# Altium PCB ccd_bottom.PcbDoc (part 2 of 2)
Units mil, origin at the board's own origin, x right, y up, seen from the top; angles counter-clockwise.
Board outline 3937.01 x 3937.01 mil, 4 copper layers (Top Layer, GND2, PWR3, Bottom Layer), stack 72.967 mil thick; 86 components, 82 nets, 458 pads, 171 vias.
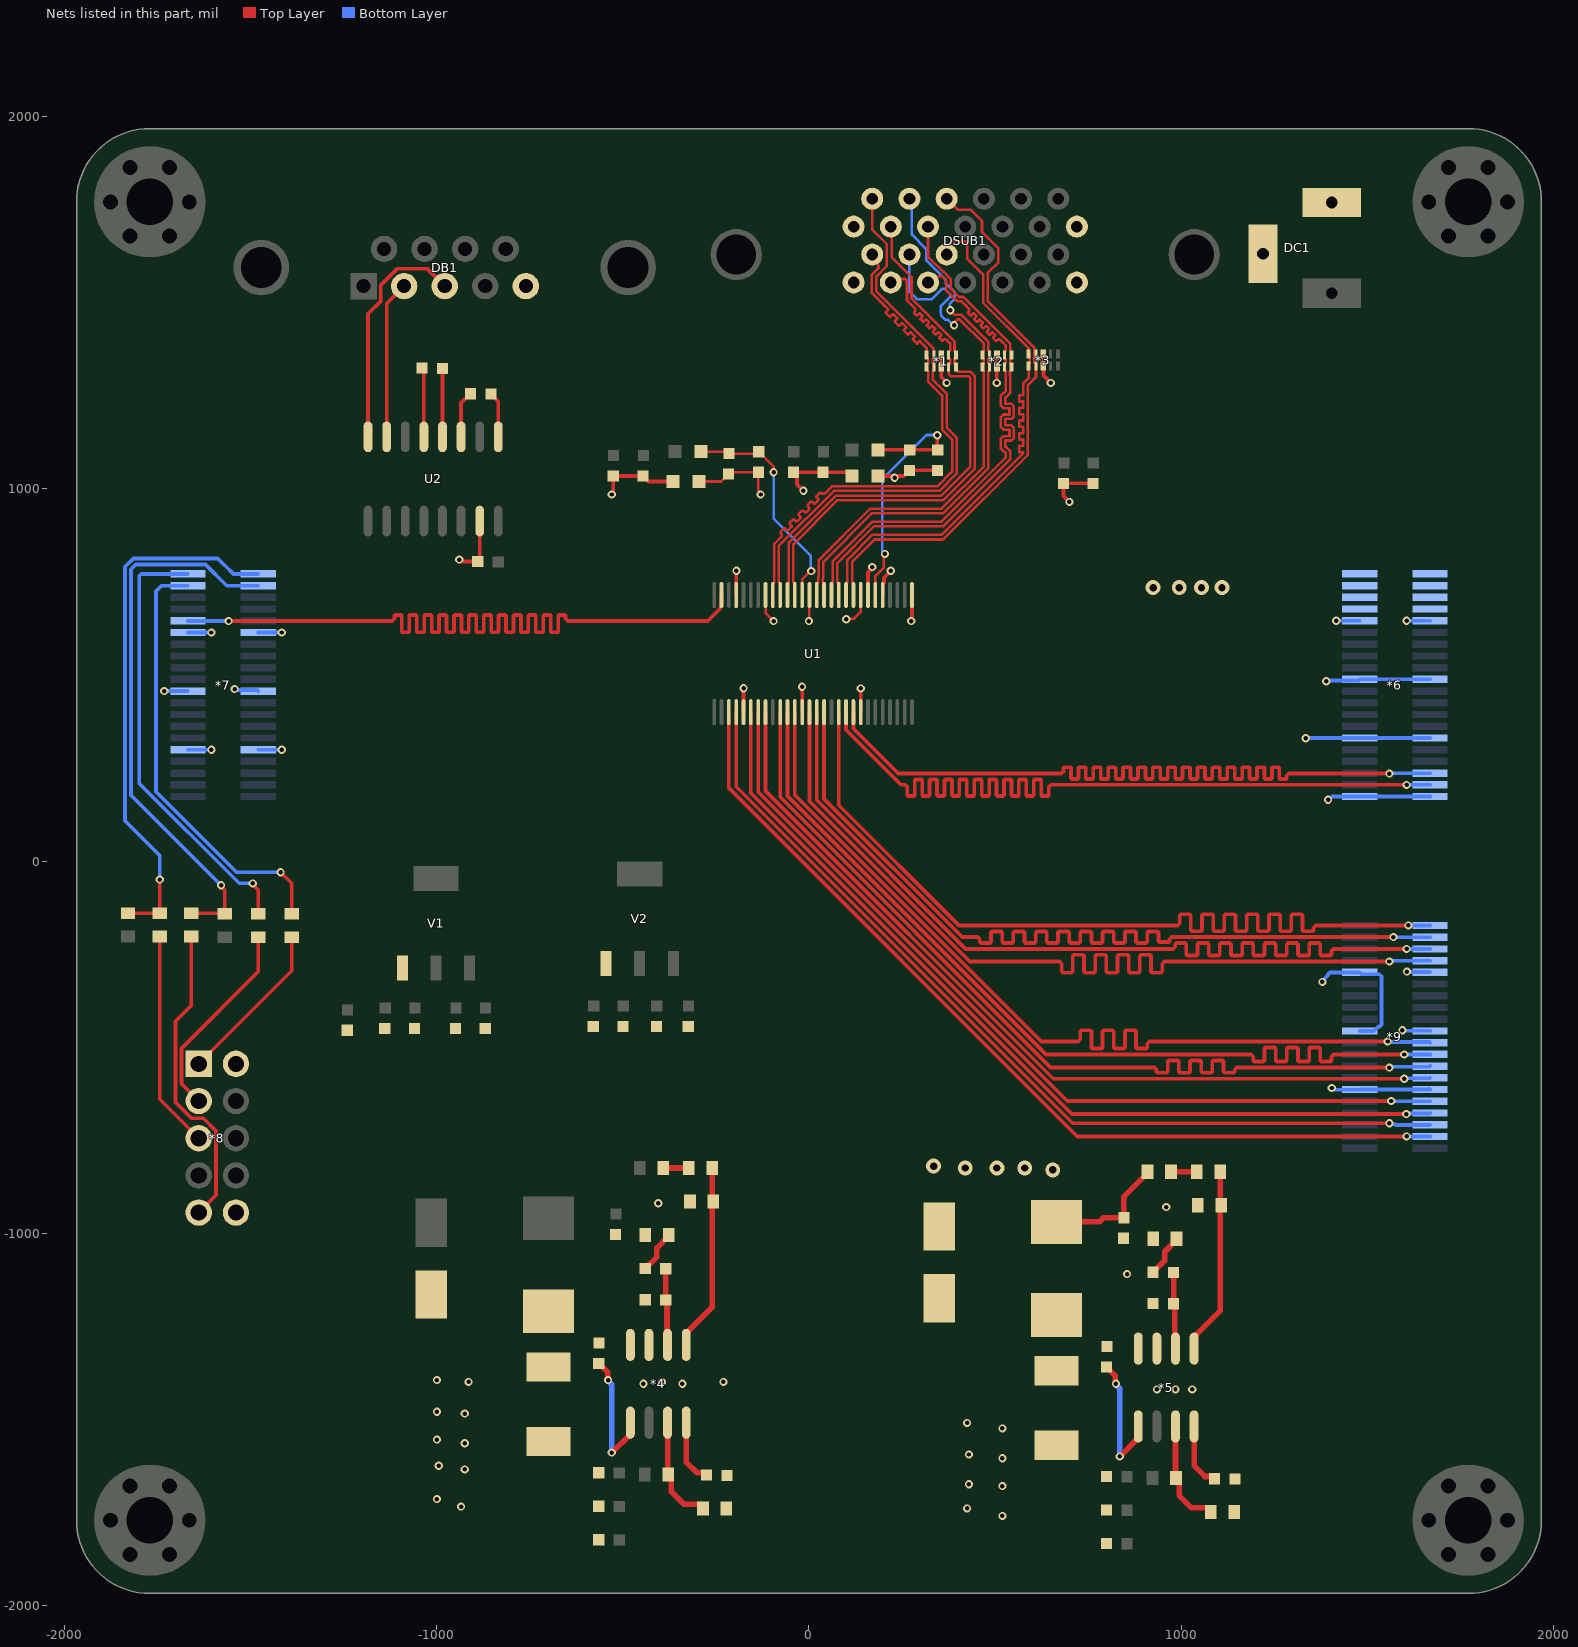
[diagram p4: the nets of this part, all layers, seen from the top]

## Via types
v1: diameter 22, hole 12, Top Layer to Bottom Layer, 149 vias
v2: diameter 40, hole 20, Top Layer to Bottom Layer, 22 vias

## Nets (pads, with @x,y where several pads share a name; then routed paths per layer and width w, separated by ;. In a path a pad name is that pad's centre, name@x,y a point inside that pad or via, vN(x,y) a via of type N, cw(c..) or ccw(c..) an arc to the next point about the centre after c; other vN are vias at no path point) (continued)
B15_L24_P: *7.31 U1.55 | length 2470.1
  Top Layer w10: v1(-1560,645) -1125,645 -1120,645 -1114.14,650.86 -1114.14,659.17 -1112.14,661.17 -1096.14,661.17 -1094.14,659.17 -1094.14,617 -1092.14,615 -1076.14,615 -1074.14,617 -1074.14,659.17 -1072.14,661.17 -1056.14,661.17 -1054.14,659.17 -1054.14,617 -1052.14,615 -1036.14,615 -1034.14,617 -1034.14,659.17 -1032.14,661.17 -1016.14,661.17 -1014.14,659.17 -1014.14,617 -1012.14,615 -996.14,615 -994.14,617 -994.14,659.17 -992.14,661.17 -976.14,661.17 -974.14,659.17 -974.14,617 -972.14,615 -956.14,615 -954.14,617 -954.14,659.17 -952.14,661.17 -936.14,661.17 -934.14,659.17 -934.14,617 -932.14,615 -916.14,615 -914.14,617 -914.14,659.17 -912.14,661.17 -896.14,661.17 -894.14,659.17 -894.14,617 -892.14,615 -876.14,615 -874.14,617 -874.14,659.17 -872.14,661.17 -856.14,661.17 -854.14,659.17 -854.14,617 -852.14,615 -836.14,615 -834.14,617 -834.14,659.17 -832.14,661.17 -816.14,661.17 -814.14,659.17 -814.14,617 -812.14,615 -796.14,615 -794.14,617 -794.14,659.17 -792.14,661.17 -776.14,661.17 -774.14,659.17 -774.14,617 -772.14,615 -756.14,615 -754.14,617 -754.14,659.17 -752.14,661.17 -736.14,661.17 -734.14,659.17 -734.14,617 -732.14,615 -716.14,615 -714.14,617 -714.14,659.17 -712.14,661.17 -696.14,661.17 -694.14,659.17 -694.14,617 -692.14,615 -676.14,615 -674.14,617 -674.14,659.17 -672.14,661.17 -656.14,661.17 -654.14,659.17 -654.14,650.86 -648.28,645 -640,645 -272.02,645 -238.65,678.37 -238.65,681.31 -234.96,685 U1.55@-234.96,715
  Bottom Layer w10: *7.31@-1669.29,645.67 -1668.96,645.34 -1560.34,645.34 v1(-1560,645)
B16_L1_N: *9.21 U1.12 | length 2471.7
  Top Layer w10: U1.12@-38.11,400.04 -38.11,177.6 624.49,-485 690,-485 723.28,-485 729.14,-479.14 729.14,-458 732.14,-455 756.14,-455 759.14,-458 759.14,-501 762.14,-504 786.14,-504 789.14,-501 789.14,-458 792.14,-455 816.14,-455 819.14,-458 819.14,-501 822.14,-504 846.14,-504 849.14,-501 849.14,-458 852.14,-455 876.14,-455 879.14,-458 879.14,-501 882.14,-504 906.14,-504 909.14,-501 909.14,-490.86 915,-485 920,-485 v1(1555,-485)
  Bottom Layer w10: v1(1555,-485) 1556.59,-486.59 1667.7,-486.59 *9.21@1669.29,-488.19
B16_L1_P: *9.23 U1.11 | length 2474.9
  Top Layer w10: U1.11@-57.8,400.04 -57.8,174.66 636.86,-520 1170,-520 1188.28,-520 1194.14,-525.86 1194.14,-536 1197.14,-539 1221.14,-539 1224.14,-536 1224.14,-504 1227.14,-501 1251.14,-501 1254.14,-504 1254.14,-536 1257.14,-539 1281.14,-539 1284.14,-536 1284.14,-504 1287.14,-501 1311.14,-501 1314.14,-504 1314.14,-536 1317.14,-539 1341.14,-539 1344.14,-536 1344.14,-504 1347.14,-501 1371.14,-501 1374.14,-504 1374.14,-536 1377.14,-539 1401.14,-539 1404.14,-536 1404.14,-525.86 1410,-520 1415,-520 v1(1600,-520)
  Bottom Layer w10: v1(1600,-520) 1600.16,-519.84 1669.13,-519.84 *9.23@1669.29,-519.69
B16_L4_N: *9.25 U1.10 | length 2472.2
  Top Layer w10: U1.10@-77.48,400.04 -77.48,171.72 649.24,-555 900,-555 928.28,-555 934.14,-560.86 934.14,-566 937.14,-569 961.14,-569 964.14,-566 964.14,-539 967.14,-536 991.14,-536 994.14,-539 994.14,-566 997.14,-569 1021.14,-569 1024.14,-566 1024.14,-539 1027.14,-536 1051.14,-536 1054.14,-539 1054.14,-566 1057.14,-569 1081.14,-569 1084.14,-566 1084.14,-539 1087.14,-536 1111.14,-536 1114.14,-539 1114.14,-566 1117.14,-569 1141.14,-569 1144.14,-566 1144.14,-560.86 1150,-555 1155,-555 v1(1560,-555)
  Bottom Layer w10: v1(1560,-555) 1561.91,-553.09 1667.38,-553.09 *9.25@1669.29,-551.18
B16_L4_P: *9.27 U1.8 | length 2319.1
  Top Layer w10: U1.8@-116.85,400.04 -116.85,188.46 656.61,-585 715,-585 877.5,-585 v1(1600,-585)
  Bottom Layer w10: v1(1600,-585) 1601.16,-583.84 1668.13,-583.84 *9.27@1669.29,-582.68
B16_L6_N: *9.31 U1.7 | length 2364.6
  Top Layer w10: U1.7@-136.54,400.04 -136.54,185.52 693.98,-645 1030,-645 1155,-645 v1(1565,-645)
  Bottom Layer w10: v1(1565,-645) 1565.67,-645.67 *9.31@1669.29,-645.67
B16_L6_P: *9.33 U1.6 | length 2401.4
  Top Layer w10: U1.6@-156.22,400.04 -156.22,182.57 706.35,-680 880,-680 1015,-680 v1(1605,-680)
  Bottom Layer w10: v1(1605,-680) 1606.42,-678.58 1667.87,-678.58 *9.33@1669.29,-677.17
B16_L8_N: *9.37 U1.3 | length 2476.2
  Top Layer w10: U1.3@-215.28,400.04 -215.28,196.37 721.26,-740.16 v1(1606.05,-740.16)
  Bottom Layer w10: v1(1606.05,-740.16) *9.37@1669.29,-740.16
B16_L8_P: *9.35 U1.4 | length 2442.3
  Top Layer w10: U1.4@-195.59,400.04 -195.59,199.32 708.73,-705 785,-705 885,-705 v1(1560,-705)
  Bottom Layer w10: v1(1560,-705) 1562.3,-707.3 1575.54,-707.3 1577.58,-709.33 1668.62,-709.33 *9.35@1669.29,-708.66
B34_L18_N: *9.1 U1.18 | length 2466.8
  Top Layer w10: U1.18@80,400.04 80,150 403.23,-173.23 960,-173.23 990.35,-173.23 996.21,-167.37 996.21,-146.23 999.21,-143.23 1023.21,-143.23 1026.21,-146.23 1026.21,-185.44 1029.21,-188.44 1053.21,-188.44 1056.21,-185.44 1056.21,-146.23 1059.21,-143.23 1083.21,-143.23 1086.21,-146.23 1086.21,-185.44 1089.21,-188.44 1113.21,-188.44 1116.21,-185.44 1116.21,-146.23 1119.21,-143.23 1143.21,-143.23 1146.21,-146.23 1146.21,-185.44 1149.21,-188.44 1173.21,-188.44 1176.21,-185.44 1176.21,-146.23 1179.21,-143.23 1203.21,-143.23 1206.21,-146.23 1206.21,-185.44 1209.21,-188.44 1233.21,-188.44 1236.21,-185.44 1236.21,-146.23 1239.21,-143.23 1263.21,-143.23 1266.21,-146.23 1266.21,-185.44 1269.21,-188.44 1293.21,-188.44 1296.21,-185.44 1296.21,-146.23 1299.21,-143.23 1323.21,-143.23 1326.21,-146.23 1326.21,-185.44 1329.21,-188.44 1353.21,-188.44 1356.21,-185.44 1356.21,-179.08 1362.07,-173.23 1367.07,-173.23 v1(1611.09,-173.23)
  Bottom Layer w10: v1(1611.09,-173.23) *9.1@1669.29,-173.23
B34_L18_P: *9.3 U1.16 | length 2471.9
  Top Layer w10: U1.16@40.63,400.04 40.63,166.74 411.82,-204.44 425,-204.44 453.28,-204.44 459.14,-210.3 459.14,-217.22 462.14,-220.22 486.14,-220.22 489.14,-217.22 489.14,-192.23 492.14,-189.23 516.14,-189.23 519.14,-192.23 519.14,-217.22 522.14,-220.22 546.14,-220.22 549.14,-217.22 549.14,-192.23 552.14,-189.23 576.14,-189.23 579.14,-192.23 579.14,-217.22 582.14,-220.22 606.14,-220.22 609.14,-217.22 609.14,-192.23 612.14,-189.23 636.14,-189.23 639.14,-192.23 639.14,-217.22 642.14,-220.22 666.14,-220.22 669.14,-217.22 669.14,-192.23 672.14,-189.23 696.14,-189.23 699.14,-192.23 699.14,-217.22 702.14,-220.22 726.14,-220.22 729.14,-217.22 729.14,-192.23 732.14,-189.23 756.14,-189.23 759.14,-192.23 759.14,-217.22 762.14,-220.22 786.14,-220.22 789.14,-217.22 789.14,-192.23 792.14,-189.23 816.14,-189.23 819.14,-192.23 819.14,-217.22 822.14,-220.22 846.14,-220.22 849.14,-217.22 849.14,-192.23 852.14,-189.23 876.14,-189.23 879.14,-192.23 879.14,-217.22 882.14,-220.22 906.14,-220.22 909.14,-217.22 909.14,-192.23 912.14,-189.23 936.14,-189.23 939.14,-192.23 939.14,-214.88 942.14,-217.88 966.14,-217.88 969.14,-214.88 969.14,-210.3 975,-204.44 980,-204.44 v1(1570.56,-204.44)
  Bottom Layer w10: v1(1570.56,-204.44) 1570.7,-204.58 1669.15,-204.58 *9.3@1669.29,-204.72
B34_L19_N: *9.7 U1.14 | length 2490.4
  Top Layer w10: U1.14@1.26,400.04 1.26,160.86 432.12,-270 660,-270 673.28,-270 679.14,-275.86 679.14,-297 682.14,-300 706.14,-300 709.14,-297 709.14,-255.22 712.14,-252.22 736.14,-252.22 739.14,-255.22 739.14,-297 742.14,-300 766.14,-300 769.14,-297 769.14,-255.22 772.14,-252.22 796.14,-252.22 799.14,-255.22 799.14,-297 802.14,-300 826.14,-300 829.14,-297 829.14,-255.22 832.14,-252.22 856.14,-252.22 859.14,-255.22 859.14,-297 862.14,-300 886.14,-300 889.14,-297 889.14,-255.22 892.14,-252.22 916.14,-252.22 919.14,-255.22 919.14,-297 922.14,-300 946.14,-300 949.14,-297 949.14,-275.86 955,-270 960,-270 v1(1560,-270)
  Bottom Layer w10: v1(1560,-270) 1562.29,-267.71 *9.7@1669.29,-267.71
B34_L19_P: *9.5 U1.15 | length 2464
  Top Layer w10: U1.15@20.94,400.04 20.94,163.8 420.96,-236.22 965,-236.22 978.28,-236.22 984.14,-230.36 984.14,-223.44 987.14,-220.44 1011.14,-220.44 1014.14,-223.44 1014.14,-251 1017.14,-254 1041.14,-254 1044.14,-251 1044.14,-223.44 1047.14,-220.44 1071.14,-220.44 1074.14,-223.44 1074.14,-251 1077.14,-254 1101.14,-254 1104.14,-251 1104.14,-223.44 1107.14,-220.44 1131.14,-220.44 1134.14,-223.44 1134.14,-251 1137.14,-254 1161.14,-254 1164.14,-251 1164.14,-223.44 1167.14,-220.44 1191.14,-220.44 1194.14,-223.44 1194.14,-251 1197.14,-254 1221.14,-254 1224.14,-251 1224.14,-223.44 1227.14,-220.44 1251.14,-220.44 1254.14,-223.44 1254.14,-251 1257.14,-254 1281.14,-254 1284.14,-251 1284.14,-223.44 1287.14,-220.44 1311.14,-220.44 1314.14,-223.44 1314.14,-251 1317.14,-254 1341.14,-254 1344.14,-251 1344.14,-223.44 1347.14,-220.44 1371.14,-220.44 1374.14,-223.44 1374.14,-251 1377.14,-254 1401.14,-254 1404.14,-251 1404.14,-242.08 1410,-236.22 1415,-236.22 v1(1606.05,-236.22)
  Bottom Layer w10: v1(1606.05,-236.22) 1615.3,-236.22 *9.5@1669.29,-236.22
B34_L23_N: *6.37 U1.19 | length 2483.9
  Top Layer w10: U1.19@99.69,400.04 99.69,352.69 247.65,204.72 258.28,204.72 264.14,198.86 264.14,176.72 266.14,174.72 282.14,174.72 284.14,176.72 284.14,217 286.14,219 302.14,219 304.14,217 304.14,176.72 306.14,174.72 322.14,174.72 324.14,176.72 324.14,217 326.14,219 342.14,219 344.14,217 344.14,176.72 346.14,174.72 362.14,174.72 364.14,176.72 364.14,217 366.14,219 382.14,219 384.14,217 384.14,176.72 386.14,174.72 402.14,174.72 404.14,176.72 404.14,217 406.14,219 422.14,219 424.14,217 424.14,176.72 426.14,174.72 442.14,174.72 444.14,176.72 444.14,217 446.14,219 462.14,219 464.14,217 464.14,176.72 466.14,174.72 482.14,174.72 484.14,176.72 484.14,217 486.14,219 502.14,219 504.14,217 504.14,176.72 506.14,174.72 522.14,174.72 524.14,176.72 524.14,217 526.14,219 542.14,219 544.14,217 544.14,176.72 546.14,174.72 562.14,174.72 564.14,176.72 564.14,217 566.14,219 582.14,219 584.14,217 584.14,176.72 586.14,174.72 602.14,174.72 604.14,176.72 604.14,217 606.14,219 622.14,219 624.14,217 624.14,176.72 626.14,174.72 642.14,174.72 644.14,176.72 644.14,198.86 650,204.72 655,204.72 v1(1606.05,204.72)
  Bottom Layer w10: v1(1606.05,204.72) *6.37@1669.29,204.72
B34_L23_P: *6.35 U1.20 | length 2497.4
  Top Layer w10: U1.20@119.37,400.04 119.37,355.63 240,235 660,235 678.28,235 684.14,240.86 684.14,249.72 686.14,251.72 702.14,251.72 704.14,249.72 704.14,222.72 706.14,220.72 722.14,220.72 724.14,222.72 724.14,249.72 726.14,251.72 742.14,251.72 744.14,249.72 744.14,222.72 746.14,220.72 762.14,220.72 764.14,222.72 764.14,249.72 766.14,251.72 782.14,251.72 784.14,249.72 784.14,222.72 786.14,220.72 802.14,220.72 804.14,222.72 804.14,249.72 806.14,251.72 822.14,251.72 824.14,249.72 824.14,222.72 826.14,220.72 842.14,220.72 844.14,222.72 844.14,249.72 846.14,251.72 862.14,251.72 864.14,249.72 864.14,222.72 866.14,220.72 882.14,220.72 884.14,222.72 884.14,249.72 886.14,251.72 902.14,251.72 904.14,249.72 904.14,222.72 906.14,220.72 922.14,220.72 924.14,222.72 924.14,249.72 926.14,251.72 942.14,251.72 944.14,249.72 944.14,222.72 946.14,220.72 962.14,220.72 964.14,222.72 964.14,249.72 966.14,251.72 982.14,251.72 984.14,249.72 984.14,222.72 986.14,220.72 1002.14,220.72 1004.14,222.72 1004.14,249.72 1006.14,251.72 1022.14,251.72 1024.14,249.72 1024.14,222.72 1026.14,220.72 1042.14,220.72 1044.14,222.72 1044.14,249.72 1046.14,251.72 1062.14,251.72 1064.14,249.72 1064.14,222.72 1066.14,220.72 1082.14,220.72 1084.14,222.72 1084.14,249.72 1086.14,251.72 1102.14,251.72 1104.14,249.72 1104.14,222.72 1106.14,220.72 1122.14,220.72 1124.14,222.72 1124.14,249.72 1126.14,251.72 1142.14,251.72 1144.14,249.72 1144.14,222.72 1146.14,220.72 1162.14,220.72 1164.14,222.72 1164.14,249.72 1166.14,251.72 1182.14,251.72 1184.14,249.72 1184.14,222.72 1186.14,220.72 1202.14,220.72 1204.14,222.72 1204.14,249.72 1206.14,251.72 1222.14,251.72 1224.14,249.72 1224.14,222.72 1226.14,220.72 1242.14,220.72 1244.14,222.72 1244.14,249.72 1246.14,251.72 1262.14,251.72 1264.14,249.72 1264.14,222.72 1266.14,220.72 1282.14,220.72 1284.14,222.72 1284.14,229.14 1290,235 1295,235 v1(1560,235)
  Bottom Layer w10: v1(1560,235) 1560.61,235.61 1668.68,235.61 *6.35@1669.29,236.22
fpga5V: *6.1 *6.2 *6.3 *6.4 *6.5 *6.6 *6.7 *6.8 C29.2 EC2.1 L8.2 R7.2 | length 339.6
  Top Layer w15: L8.2@665,-970 780.7,-970 791.95,-958.75 C29.2@846.25,-958.75 846.25,-902 910,-838.25 R7.2@910,-835 R7.2@912.5,-837.5
  other v2: 655,-830 420,-825 505,-825 580,-825 335,-820 925,735 995,735 1055,735 1110,735
FPGA_TCK: *7.37 R15.1 | length 1179.8
  Top Layer w10: v1(-1420,-30) -1390,-60 R15.1@-1390,-142.01
  Bottom Layer w10: *7.37@-1669.29,740.16 -1669.37,740.08 -1740,740.08 -1755,725.08 -1755,186.29 -1538.71,-30 v1(-1420,-30)
FPGA_TDI: *7.38 R13.1 R18.1 | length 1492
  Top Layer w10: R18.1@-1660,-140 -1572.01,-140 R13.1@-1570,-142.01 -1570,-78.25 -1580,-68.25 v1(-1580,-65)
  Bottom Layer w10: v1(-1580,-65) -1822,177 -1822,784.11 -1809.11,797 -1621.99,797 -1565,740.01 -1564.92,740.08 -1480.39,740.08 *7.38@-1480.31,740.16
FPGA_TDO: *7.39 R16.1 | length 1194.8
  Top Layer w10: v1(-1495,-60) -1495,-63.25 -1480,-78.25 R16.1@-1480,-142.01
  Bottom Layer w10: *7.39@-1669.29,771.66 -1794.14,771.66 -1800,765.8 -1800,208.66 -1531.34,-60 v1(-1495,-60)
FPGA_TMS: *7.40 R14.1 R17.1 | length 1438.3
  Top Layer w10: R14.1@-1830,-140 R17.1@-1745,-140 v1(-1745,-50)
  Bottom Layer w10: v1(-1745,-50) -1745,15 -1838,108 -1838,790.74 -1815.74,813 -1588.77,813 -1570.77,795 -1570,795 -1546.66,771.66 *7.40@-1480.31,771.66
GND: *1.3 *1.8 *2.3 *2.8 *3.3 *3.8 *4.7 *5.7 *6.9 *6.10 *6.19 *6.20 *6.29 *6.30 *6.39 *6.40 *7.9 *7.10 *7.19 *7.20 *7.29 *7.30 *8.2 *8.10 *9.9 *9.10 *9.19 *9.20 *9.29 *9.30 C1.1 C2.1 C7.1 C8.1 C11.1 C12.1 C14.1 C17.1 C18.1 C19.1 C20.1 C22.1 C23.1 C24.1 C25.1 C26.1 C27.1 C29.1 C30.1 C31.1 C32.1 C34.1 C35.1 C36.1 C37.1 C38.1 C39.1 C40.1 D1.A D2.A DB1.5 DC1.2 DC1.3 DSUB1.1 DSUB1.13 DSUB1.14 DSUB1.26 EC1.2 EC2.2 L4.2 L6.2 R3.1 R5.1 R6.1 R9.1 R11.1 R12.1 U1.5 U1.13 U1.21 U1.29 U1.53 U2.15 V1.1 V2.1 | length 3491.5
  Top Layer w10: v1(-940,810) -935,805 C14.1@-890,805 -885,810 U2.15@-885,913.62 ; v1(-530,985) -526.01,988.99 C8.1@-526.01,1035 C7.1@-446.01,1035 -431.01,1020 L4.2@-365,1020 ; U1.53@-195.59,715 -195.59,779.41 v1(-195,780) ; U1.5@-175.91,400.04 v1(-175.91,464.09) v1@-175,465 ; U1.13@-18.43,400.04 v1(-18.43,468.43) ; v1(-15,995) -32.01,1012.01 -32.01,1035 C12.1@-42.01,1045 C11.1@37.99,1045 105,1045 L6.2@115,1035 ; U1.21@139.06,400.04 v1(139.06,464.05) ; v1(275,645) 276.85,646.85 U1.29@276.85,715 ; *1.8@355.6,1360 *1.3@355.6,1327.4 355.6,1300.5 370,1286.1 v1(370,1285) ; *2.8@504.4,1355 504.4,1322.4 504.9,1321.9 504.9,1285.4 v1(504.5,1285) ; *3.8@630,1362.6 630,1305 v1(650,1285) ; v1(700,965) 684,981 C1.1@684,1015 C2.1@762.99,1015
  Bottom Layer w10: v1(-1732.54,456.69) *7.19@-1669.29,456.69 ; *7.9@-1669.29,299.21 v1(-1606.05,299.21) ; *7.29@-1669.29,614.17 v1(-1606.05,614.17) ; v1(-1543.56,462) -1541.26,459.7 -1483.33,459.7 *7.20@-1480.31,456.69 ; *7.10@-1480.31,299.21 v1(-1417.07,299.21) ; *7.30@-1480.31,614.17 v1(-1417.07,614.17) ; v1(1335,330) 1335.35,330.35 1479.96,330.35 *6.30@1480.31,330.71 *6.29@1669.29,330.71 ; v1(1380,-325) 1380,-321.75 1393.32,-308.43 1393.32,-306.68 1400.39,-299.61 1479.92,-299.61 *9.10@1480.31,-299.21 1485.16,-304.05 1532.7,-304.05 1538.56,-309.91 1538.56,-439.6 1532.12,-446.04 1528.37,-446.04 1517.72,-456.69 *9.20@1480.31,-456.69 ; v1(1390,483) 1392.3,485.3 1477.42,485.3 *6.20@1480.31,488.19 *6.19@1669.29,488.19 ; v1(1395,164.64) 1398.25,164.64 1406.83,173.23 *6.40@1480.31,173.23 *6.39@1669.29,173.23 ; v1(1405,-610) 1408.25,-610 1412.83,-614.59 1479.9,-614.59 *9.30@1480.31,-614.17 *9.29@1669.29,-614.17 *9.29@1667.2,-612.09 ; v1(1417.07,645.67) *6.10@1480.31,645.67 ; v1(1595,-455) 1595.85,-455.85 1668.44,-455.85 *9.19@1669.29,-456.69 ; v1(1606.05,645.67) *6.9@1669.29,645.67 ; v1(1607.12,-297.26) 1608.09,-298.23 1668.31,-298.23 *9.9@1669.29,-299.21
  other v1: 520,-1760 425,-1740 -935,-1735 -1000,-1715 520,-1680 430,-1675 -925,-1635 -995,-1625 520,-1605 430,-1595 -925,-1565 -1000,-1555 520,-1525 425,-1510 -925,-1485 -1000,-1480 935,-1420 985,-1420 1030,-1420 -445,-1405 -340,-1405 -915,-1400 -395,-1400 -230,-1400 -1000,-1395 855,-1110 960,-930 -405,-920
Net*4_1: *4.1 C16.1 | length 356
  Top Layer w15: C16.1@-565,-1350 -541.34,-1373.66 -541.34,-1393.66 v1(-540,-1395) ; v1(-530,-1590) -529.51,-1590 -480,-1540.49 *4.1@-480,-1509.49
  Bottom Layer w15: v1(-540,-1395) -540,-1396.89 -530,-1406.89 v1(-530,-1590)
Net*4_3: *4.3 R2.1 R3.2 | length 293.1
  Top Layer w15: R2.1@-380,-1647.01 *4.3@-380,-1509.49 ; R2.1@-378.5,-1648.5 -370.26,-1656.75 -370.26,-1694.74 -336.5,-1728.5 -293.25,-1728.5 -285,-1736.75 R3.2@-285,-1740
Net*4_4: *4.4 C23.2 | length 175
  Top Layer w15: *4.4@-330,-1509.49 -330,-1615 -300.91,-1644.09 -280.91,-1644.09 C23.2@-275,-1650
Net*4_5: *4.5 R4.1 R6.2 | length 504.5
  Top Layer w15: *4.5@-330,-1300.51 -330,-1269.02 -260,-1199.02 -260,-910 R4.1@-260,-825
Net*4_6: *4.6 C21.2 C22.2 | length 206.6
  Top Layer w15: C21.2@-385,-1096 C22.2@-385,-1180 -381.65,-1183.35 -381.65,-1298.86 *4.6@-380,-1300.51
Net*4_8: *4.8 C16.2 D1.K L7.1
Net*5_1: *5.1 C28.1 | length 356
  Top Layer w15: C28.1@800,-1360 823.66,-1383.66 823.66,-1403.66 v1(825,-1405) ; v1(835,-1600) 835.49,-1600 885,-1550.49 *5.1@885,-1519.49
  Bottom Layer w15: v1(825,-1405) 825,-1406.89 835,-1416.89 v1(835,-1600)
Net*5_3: *5.3 R8.1 R9.2 | length 293.1
  Top Layer w15: R8.1@985,-1657.01 *5.3@985,-1519.49 ; R8.1@986.5,-1658.5 994.74,-1666.75 994.74,-1704.74 1028.5,-1738.5 1071.75,-1738.5 1080,-1746.75 R9.2@1080,-1750
Net*5_4: *5.4 C35.2 | length 175
  Top Layer w15: *5.4@1035,-1519.49 1035,-1625 1064.09,-1654.09 1084.09,-1654.09 C35.2@1090,-1660
Net*5_5: *5.5 R10.1 R12.2 | length 504.5
  Top Layer w15: *5.5@1035,-1310.51 1035,-1279.02 1105,-1209.02 1105,-920 R10.1@1105,-835
Net*5_6: *5.6 C33.2 C34.2 | length 206.6
  Top Layer w15: C33.2@980,-1106 C34.2@980,-1190 983.35,-1193.35 983.35,-1308.86 *5.6@985,-1310.51
Net*5_8: *5.8 C28.2 D2.K L8.1
Net*8_1: *8.1 R15.2 | length 443.6
  Top Layer w10: *8.1@-1640,-545 -1390,-295 R15.2@-1390,-205
Net*8_3: *8.3 R16.2 | length 544.8
  Top Layer w10: *8.3@-1640,-645 -1686.45,-598.55 -1686.45,-503.6 -1480,-297.15 R16.2@-1480,-205
Net*8_5: *8.5 R17.2 | length 585.5
  Top Layer w10: R17.2@-1745,-202.99 -1745,-640 *8.5@-1640,-745
Net*8_9: *8.9 R18.2 | length 842.3
  Top Layer w10: R18.2@-1660,-202.99 -1660,-388.23 -1702.45,-430.68 -1702.45,-648.24 -1659.24,-691.45 -1627.86,-691.45 -1593.55,-725.76 -1593.55,-898.55 *8.9@-1640,-945
NetC5_1: C5.1 C6.1 L4.1 U1.36 U1.43 U1.49 | length 474.3
  Top Layer w7: L4.1@-295,1020 -236,1020 C6.1@-216,1040 -211,1045 C5.1@-136,1045 -136,995.06 -130,989.06 v1(-130,985) ; U1.49@-116.85,715 -116.28,714.43 -116.28,666.28 v1(-95,645) ; v1(0,645) 0.69,645.69 0.69,714.43 U1.43@1.26,715 ; v1(100,650) 101.5,651.5 121.5,651.5 139.06,669.06 U1.36@139.06,715
NetC5_2: C5.2 C6.2 L3.1 U1.44 | length 613.6
  Top Layer w7: L3.1@-290,1100 -220,1100 C6.2@-215,1095 -140,1095 C5.2@-135,1100 -95,1060 v1(-95,1044.98) ; U1.44@-18.43,715 -18.43,756.57 4.11,779.11 v1(5.89,779.11)
  Bottom Layer w7: v1(-95,1044.98) -95,920 5,820 5,780 v1(5.89,779.11)
NetC9_1: C9.1 C10.1 L6.1 U1.33 U1.35 | length 319.9
  Top Layer w10: U1.35@158.74,715 158.74,775.49 170,786.75 v1(170,790) ; L6.1@185,1035 255,1035 C10.1@270,1050 C9.1@345,1050 ; U1.33@198.11,715 198.11,745 201.8,748.69 201.8,761.44 220,779.64 v1(220,780)
  other v1: 230,1030
NetC9_2: C9.2 C10.2 L5.1 U1.34 | length 722.3
  Top Layer w7: U1.34@178.43,715 178.43,766.58 201.08,789.23 201.08,822.68 v1(203.95,825.55)
  Top Layer w10: L5.1@185,1105 C10.2@271,1105 C9.2@346,1105 344.52,1106.48 v1(344.52,1144.52)
  Bottom Layer w7: v1(203.95,825.55) 197.36,832.14 197.36,1026.35 316.01,1145 344.04,1145 v1(344.52,1144.52)
NetC13_1: C13.1 U2.3 | length 126.4
  Top Layer w10: U2.3@-935,1140 -935,1231 C13.1@-910,1256
NetC13_2: C13.2 U2.1 | length 123.3
  Top Layer w10: C13.2@-855,1255 -835,1235 U2.1@-835,1140
NetC15_1: C15.1 U2.5 | length 187.1
  Top Layer w10: C15.1@-1040,1325 -1035,1320 U2.5@-1035,1140
NetC15_2: C15.2 U2.4 | length 184
  Top Layer w10: U2.4@-985,1140 C15.2@-985,1324
NetC21_1: C21.1 R5.2 | length 127.8
  Top Layer w15: C21.1@-440,-1095 -408.88,-1063.88 -408.88,-1040.12 -377.01,-1008.25 R5.2@-377.01,-1005 R5.2@-385.26,-1013.25
NetC33_1: C33.1 R11.2 | length 127.8
  Top Layer w15: C33.1@925,-1105 956.12,-1073.88 956.12,-1050.12 987.99,-1018.25 R11.2@987.99,-1015 R11.2@979.74,-1023.25
NetR1_1: R1.1 R4.2 | length 72
  Top Layer w15: R1.1@-395,-825 R4.2@-322.99,-825
NetR7_1: R7.1 R10.2 | length 72
  Top Layer w15: R7.1@970,-835 R10.2@1042.01,-835
RX: DB1.3 U2.8 | length 631.1
  Top Layer w10: U2.8@-1185,1140 -1185,1470.58 -1150.57,1505.01 -1150.57,1548.1 -1107.23,1591.43 -1025.43,1591.43 DB1.3@-979,1545
TX: DB1.2 U2.7 | length 424.5
  Top Layer w10: U2.7@-1135,1140 -1135,1498 DB1.2@-1088,1545
X0+: *1.2 *1.9 DSUB1.15 U1.47 | length 1554
  Top Layer w7: U1.47@-77.48,715 -77.48,745.81 -81.32,749.65 -81.32,847.06 66.62,995 350.41,995 397,1041.59 397,1138 370,1165 370,1256.01 332.5,1293.5 332.5,1316.05 335.9,1319.45 *1.2@335.9,1327.4 335.9,1335.35 332.65,1338.6 332.5,1338.6 332.5,1348.8 332.65,1348.8 335.9,1352.05 335.59,1352.36 335.59,1376.38 313.49,1398.49 205.98,1505.99 180.97,1531 180.97,1571.17 209.03,1599.22 209.03,1658.07 170,1697.1 DSUB1.15@170,1780
X0-: *1.1 *1.10 DSUB1.2 U1.48 | length 1549.5
  Top Layer w7: U1.48@-97.17,715 -97.17,745.81 -93.32,749.65 -93.32,852.03 -75.18,870.18 -72.7,872.65 -72.7,878.45 -75.95,881.7 -75.95,884.1 -66.33,893.72 -63.93,893.72 -58.98,888.78 -56.58,888.78 -46.96,898.39 -46.96,900.8 -51.91,905.74 -51.91,908.14 -42.29,917.76 -39.89,917.76 -34.94,912.82 -32.54,912.82 -22.92,922.43 -22.92,924.84 -27.87,929.78 -27.87,932.19 -18.25,941.8 -15.84,941.8 -10.9,936.86 -8.5,936.86 1.12,946.48 1.12,948.88 -3.82,953.82 -3.82,956.23 5.79,965.84 8.2,965.84 13.14,960.9 15.54,960.9 25.16,970.52 25.16,972.92 20.22,977.86 20.22,980.27 29.83,989.88 32.24,989.88 35.48,986.64 41.28,986.64 54.82,1000.18 61.64,1007 345.44,1007 385,1046.56 385,1133.03 358,1160.03 358,1251.04 320.5,1288.53 320.5,1316.7 316.2,1321 *1.1@316.2,1327.4 316.2,1333.8 320.5,1338.1 320.5,1349.3 316.54,1353.26 *1.10@316.54,1360 ; DSUB1.2@170,1630 170,1616.78 186.91,1599.87 186.91,1594.07 168.97,1576.14 168.97,1526.03 199.95,1495.05 202.42,1492.58 213.38,1481.62 206.31,1474.55 218.33,1462.53 225.4,1469.6 237.42,1457.58 230.35,1450.51 242.37,1438.49 249.44,1445.56 261.46,1433.54 254.39,1426.47 266.41,1414.45 273.48,1421.52 285.5,1409.5 278.43,1402.42 290.45,1390.4 297.52,1397.48 ; 297.53,1397.47 300,1395 316.2,1378.8 *1.10@316.2,1360
X1+: *1.5 *1.6 DSUB1.16 U1.45 | length 1475.3
  Top Layer w7: U1.45@-38.11,715 -38.11,745.81 -41.95,749.65 -41.95,851.08 76.97,970 360.9,970 445,1054.1 445,1303.87 433.87,1315 401,1315 395,1321 395,1333.8 391.15,1337.65 391.15,1349.75 395,1353.6 *1.6@395,1360 395,1366.4 391.15,1370.25 391.15,1395.77 283.46,1503.46 275.53,1511.4 275.53,1569.28 222.03,1622.78 222.03,1702.97 DSUB1.16@220,1705
X1-: *1.4 *1.7 DSUB1.3 U1.46 | length 1451.8
  Top Layer w7: U1.46@-57.8,715 -57.8,745.81 -53.95,749.65 -53.95,856.05 72,982 355.93,982 433,1059.07 433,1298.9 428.9,1303 380.99,1303 375.75,1308.24 375.75,1334.9 375.3,1335.35 378.55,1338.6 379.15,1338.6 379.15,1348.8 378.55,1348.8 375.3,1352.05 *1.7@375.3,1360 375.3,1367.95 379.15,1371.8 379.15,1390.8 375.31,1394.64 372.84,1397.11 368.1,1401.85 362.3,1401.85 358.98,1398.53 357.28,1398.53 350.5,1405.31 350.5,1407.01 355.87,1412.39 355.87,1414.08 349.08,1420.87 347.38,1420.87 342.01,1415.5 340.31,1415.5 333.53,1422.29 333.53,1423.98 338.9,1429.36 338.9,1431.05 332.11,1437.84 330.41,1437.84 325.04,1432.47 323.34,1432.47 316.56,1439.26 316.56,1440.95 321.93,1446.33 321.93,1448.02 315.14,1454.81 313.44,1454.81 308.07,1449.44 306.37,1449.44 299.58,1456.23 299.58,1457.92 304.96,1463.3 304.96,1464.99 298.17,1471.78 296.47,1471.78 291.1,1466.41 289.4,1466.41 282.61,1473.2 282.61,1474.89 285.94,1478.22 285.94,1484.02 277.45,1492.5 274.98,1494.98 263.53,1506.43 263.53,1560.21 259.43,1564.31 229.31,1564.31 DSUB1.3@220,1555
X2+: *2.2 *2.9 DSUB1.17 U1.41 | length 1483.1
  Top Layer w7: U1.41@40.63,715 40.63,745.81 36.79,749.65 36.79,759.5 38.39,761.11 38.39,803.75 169.64,935 361.26,935 481.75,1055.49 481.75,1138.06 481.75,1240.36 481.75,1315.6 485.6,1319.45 *2.2@485.6,1327.4 485.6,1335.35 482.35,1338.6 481.75,1338.6 481.75,1348.8 482.35,1348.8 485.6,1352.05 *2.9@485.6,1360 485.6,1367.95 481.75,1371.8 481.75,1395.98 410.02,1467.71 391.6,1467.71 380,1479.31 v1(380,1480)
  Bottom Layer w7: DSUB1.17@270,1780 276.29,1773.71 276.29,1683.71 315,1645 315,1615 345.19,1584.81 cw(c320,1555) 349.81,1580.19 367.8,1562.2 367.8,1552.01 392.15,1527.66 ccw(c420,1555) 392.27,1527.54 392.27,1511.8 377.87,1497.4 377.87,1480.76 v1@375,1477.89
X2-: *2.1 *2.10 DSUB1.4 U1.42 | length 1447.5
  Top Layer w7: U1.42@20.94,715 20.94,745.81 24.79,749.65 24.79,764.47 26.39,766.08 26.39,808.72 164.67,947 356.29,947 469.75,1060.46 469.75,1138.06 469.75,1240.36 469.75,1317.15 465.9,1321 *2.1@465.9,1327.4 465.9,1333.8 469.75,1337.65 469.75,1349.75 465.9,1353.6 *2.10@465.9,1360 465.9,1366.4 469.75,1370.25 469.75,1391.01 405.05,1455.71 398.9,1455.71 392.87,1449.67 392.87,1442.87 v1(390,1440) ; DSUB1.4@270,1615.91 DSUB1.4@270,1630
  Bottom Layer w7: DSUB1.4@270,1615.91 270,1530 290,1510 330.19,1510 358.62,1538.42 364.42,1538.42 380.27,1522.57 380.27,1516.77 354.1,1490.61 354.1,1474.87 355.69,1465.32 366.51,1454.5 374.09,1454.5 388.59,1440 v1(390,1440)
X3+: *3.2 *3.9 DSUB1.19 U1.37 | length 1531.3
  Top Layer w7: U1.37@119.37,715 119.37,745.81 116.03,749.15 116.03,803.82 176.2,864 358.41,864 359.41,865 361.97,865 587.5,1090.53 587.5,1277.9 610,1300.4 *3.2@610,1330 610,1337.95 609.55,1338.4 607.1,1338.4 605.3,1340.2 605.3,1353.27 605.3,1367.3 ; DSUB1.19@370,1780 400,1750 435,1750 465,1720 465,1690.19 509.03,1646.17 509.03,1609.03 480,1580 480,1505.37 605.3,1380.07 605.3,1367.3 ; *3.9@610,1362.6 605.3,1367.3
X3-: *3.1 *3.10 DSUB1.6 U1.38 | length 1513.7
  Top Layer w7: U1.38@99.69,715 99.69,745.81 103.03,749.15 103.03,809.21 170.82,877 357,877 575.5,1095.5 575.5,1099 565.5,1099 565.5,1116 575.5,1116 575.5,1133 565.5,1133 565.5,1150 575.5,1150 575.5,1167 565.5,1167 565.5,1184 575.5,1184 575.5,1201 565.5,1201 565.5,1218 575.5,1218 575.5,1235 565.5,1235 565.5,1252 575.5,1252 575.5,1260 575.5,1282.87 590.3,1297.67 *3.1@590.3,1330 590.3,1336.4 593.3,1339.4 593.3,1348.3 *3.10@593.3,1362.6 ; DSUB1.6@370,1630 379.96,1639.96 379.96,1661.1 384.84,1665.97 420.9,1665.97 425,1661.87 425,1619.81 468,1576.81 468,1500.4 589.95,1378.45 589.95,1364.95 *3.10@592.3,1362.6
XCK+: *2.5 *2.6 DSUB1.18 U1.39 | length 1489
  Top Layer w7: U1.39@80,715 80,745.81 76.16,749.65 76.16,800.72 175.43,900 361.62,900 540.85,1079.23 540.85,1090 540.85,1101.99 529.72,1113.12 527.52,1113.12 527.52,1130.12 543.82,1130.12 550.85,1137.15 550.85,1164.09 543.82,1171.12 527.52,1171.12 527.52,1188.12 543.82,1188.12 550.85,1195.15 550.85,1222.09 543.82,1229.12 527.52,1229.12 527.52,1246.12 529.72,1246.12 540.85,1257.25 540.85,1290 540.85,1304.55 540.4,1305 540.4,1316.7 544.7,1321 544.7,1333.8 540.85,1337.65 540.85,1349.75 544.7,1353.6 *2.6@544.7,1360 544.7,1366.4 540.85,1370.25 540.85,1390.41 470.54,1460.72 415.28,1515.97 403.83,1515.97 380.97,1538.83 380.97,1563.83 360.9,1583.91 360.03,1583.91 320,1623.94 DSUB1.18@320,1705
XCLK-: *2.4 *2.7 DSUB1.5 U1.40 | length 1461.4
  Top Layer w7: U1.40@60.31,715 60.31,745.81 64.16,749.65 64.16,805.69 170.46,912 356.64,912 528.85,1084.21 528.85,1090 528.85,1097.02 524.75,1101.12 522.55,1101.12 515.52,1108.15 515.52,1135.09 522.55,1142.12 538.85,1142.12 538.85,1159.12 522.55,1159.12 515.52,1166.15 515.52,1193.09 522.55,1200.12 538.85,1200.12 538.85,1217.12 522.55,1217.12 515.52,1224.15 515.52,1251.09 522.55,1258.12 524.75,1258.12 528.85,1262.22 528.85,1290 528.85,1295.13 528.4,1295.59 528.4,1316.05 525,1319.45 *2.4@525,1327.4 525,1335.35 528.25,1338.6 528.85,1338.6 528.85,1348.8 528.25,1348.8 525,1352.05 *2.7@525,1360 525,1367.95 528.85,1371.8 528.85,1385.44 519.64,1394.64 517.17,1397.12 512.79,1401.5 506.99,1401.5 503.67,1398.17 501.97,1398.17 495.18,1404.96 495.18,1406.66 500.55,1412.03 500.55,1413.73 493.77,1420.52 492.07,1420.52 486.69,1415.15 485,1415.15 478.21,1421.93 478.21,1423.63 483.58,1429 483.58,1430.7 476.8,1437.49 475.1,1437.49 469.72,1432.12 468.03,1432.12 461.24,1438.9 461.24,1440.6 466.61,1445.98 466.61,1447.67 459.82,1454.46 458.13,1454.46 452.75,1449.09 451.06,1449.09 444.27,1455.87 444.27,1457.57 449.64,1462.95 449.64,1464.64 442.85,1471.43 441.16,1471.43 435.78,1466.06 434.09,1466.06 427.3,1472.85 427.3,1474.54 430.62,1477.87 430.62,1483.66 422.14,1492.15 419.66,1494.62 410.31,1503.97 398.86,1503.97 368.97,1533.86 368.97,1558.86 355.93,1571.91 350.13,1571.91 333.22,1555 DSUB1.5@320,1555
pads on no net: *3.4 *3.5 *3.6 *3.7 *6.12 *6.14 *6.16 *6.18 *6.22 *6.24 *6.26 *6.28 *6.32 *6.34 *6.36 *6.38 *7.2 *7.4 *7.6 *7.8 *7.12 *7.14 *7.16 *7.18 *7.21 *7.22 *7.23 *7.24 *7.25 *7.26 *7.27 *7.28 *7.35 *7.36 *8.6 *8.7 *8.8 *9.2 *9.4 *9.6 *9.8 *9.11 *9.12 *9.13 *9.14 *9.15 *9.16 *9.17 *9.18 DB1. DB1.1 DB1.4 DB1.6 DB1.7 DB1.8 DB1.9 DSUB1.7 DSUB1.8 DSUB1.9 DSUB1.10 DSUB1.11 DSUB1.12 DSUB1.20 DSUB1.21 DSUB1.22 DSUB1.23 DSUB1.24 DSUB1.25 DSUB1.27 DSUB1.28 SP1.1 SP2.1 SP3.1 SP4.1 U2.2 U2.6 U2.11 U2.12 U2.13 U2.14

## Polygon pours and split planes (outlines as drawn)
GND on Top Layer "GND_L01_P037" (solid, remove dead copper, pour order 37): 2095.65,-765 -275,-765 -275,-425 -420,-195 -377.86,82.86 -385,90 -1305,110 -1970,82.86 -1970,-2050 -1900,-1980 2040,-1980
GND on Top Layer "GND_L01_P036" (solid, pour order 36): -530,-170 -650,-170 -650,-510 -640,-520 -235,-520 -235,-395 -240,-390 -245,-395 -525,-395
+5 on Top Layer "+5_L01_P025" (solid, pour order 25): -410,-230 -410,-340 -460,-390 -460,-415 -195,-415 -195,-230
GND on Top Layer "GND_L01_P038" (solid, remove dead copper, pour order 38): -1625,35 -1585,75 -1585,1445 1535,1445 1565,1415 1565,-950 1595,-980 1975,-980 1975,1995 1925,2045 -2045,2045 -2045,60 -2070,35
GND on Top Layer "GND_L01_P035" (solid, pour order 35): -1075,-185 -1195,-185 -1195,-525 -1185,-535 -780,-535 -780,-410 -785,-405 -790,-410 -1070,-410
3v3 on Top Layer "3V3_L01_P030" (solid, pour order 30): -1070,101.77 -1070,-340 -1095,-365 -1160,-365 -1160,-420 -1155,-425 -1025,-425 -1025,-385 -980,-340 -965,-340 -965,-205 -955,-195 -915,-195 -915,106.77
+5 on Top Layer "+5_L01_P033" (solid, pour order 33): -938.8,-233.91 -938.8,-343.91 -988.8,-393.91 -988.8,-418.91 -723.8,-418.91 -723.8,-233.91
+5 on Top Layer "+5_L01_P031" (solid, pour order 31): -1090,-1060 -1085,-1055 -616.25,-1055 -616.25,-765 -1090,-765
3v3O on Top Layer "3V3O_L01_P029" (solid, pour order 29): -525,112.26 -525,-330 -550,-355 -610,-355 -610,-405 -615,-410 -610,-415 -480,-415 -480,-375 -435,-330 -420,-330 -420,-195 -410,-185 -370,-185 -370,117.26
GND on Top Layer "GND_L01_P017" (solid, pour order 17): -620,-1436.75 -565,-1436.75 -480,-1351.75 -450,-1351.75 -450,-1216.75 -465,-1201.75 -555,-1201.75 -555,-981.75 -540,-966.75 -460,-966.75 -460,-871.75 -300,-871.75 -300,-951.75 -295,-956.75 -305,-966.75 -410,-966.75 -410,-1441.75 -420,-1451.75 -520,-1451.75 -520,-1491.75 -555,-1526.75 -560,-1521.75 -620,-1521.75
GND on Top Layer "GND_L01_P016" (solid, pour order 16): -776.44,-1856.75 -781.44,-1851.75 -1100,-1851.75 -1100,-1096.75 -1080,-1076.75 -890,-1076.75 -860,-1106.75 -860,-1431.75 -770,-1436.75
GND on Top Layer "GND_L01_P014" (solid, pour order 14): -245,-1766.75 -245,-1471.75 -235,-1461.75 -250,-1446.75 -415,-1446.75 -415,-1371.75 -420,-1366.75 -415,-1361.75 -195,-1361.75 -195,-1751.75 -195,-1761.75
GND on Top Layer "GND_L01_P013" (solid, pour order 13): -780,-1856.75 -550,-1856.75 -545,-1851.75 -545,-1611.75 -615,-1611.75 -620,-1606.75 -620,-1436.75 -770,-1436.75 -775,-1441.75
+12 on Top Layer "+12_L01_P012" (solid, pour order 12): -450,-1461.75 -410,-1461.75 -405,-1466.75 -405,-1861.75 -525,-1861.75 -530,-1866.75 -535,-1861.75 -535,-1616.75 -455,-1616.75 -450,-1611.75
Net*4_8 on Top Layer "NET*4_8_L01_P011" (solid, pour order 11): -840,-1406.75 -620,-1406.75 -600,-1386.75 -600,-1316.75 -535,-1316.75 -505,-1346.75 -460,-1346.75 -460,-1226.75 -570,-1226.75 -570,-1131.75 -575,-1126.75 -835,-1126.75
Net*5_8 on Top Layer "NET*5_8_L01_P001" (solid, pour order 1): 525,-1420 745,-1420 765,-1400 765,-1330 830,-1330 860,-1360 905,-1360 905,-1240 795,-1240 795,-1145 790,-1140 530,-1140
+12 on Top Layer "+12_L01_P003" (solid, pour order 3): 915,-1475 955,-1475 960,-1480 960,-1875 840,-1875 835,-1880 830,-1875 830,-1630 910,-1630 915,-1625
GND on Top Layer "GND_L01_P004" (solid, pour order 4): 585,-1870 815,-1870 820,-1865 820,-1625 750,-1625 745,-1620 745,-1450 595,-1450 590,-1455
GND on Top Layer "GND_L01_P006" (solid, pour order 6): 1120,-1780 1120,-1485 1130,-1475 1115,-1460 950,-1460 950,-1385 945,-1380 950,-1375 1170,-1375 1170,-1765 1170,-1775
fpga5V on Top Layer "FPGA5V_L01_P007" (solid, pour order 7): 275,-1070 280,-1065 748.75,-1065 748.75,-775 275,-775
GND on Top Layer "GND_L01_P009" (solid, pour order 9): 588.56,-1870 583.56,-1865 265,-1865 265,-1110 285,-1090 475,-1090 505,-1120 505,-1445 595,-1450
GND on Top Layer "GND_L01_P010" (solid, pour order 10): 745,-1450 800,-1450 885,-1365 915,-1365 915,-1230 900,-1215 810,-1215 810,-995 825,-980 905,-980 905,-885 1065,-885 1065,-965 1070,-970 1060,-980 955,-980 955,-1455 945,-1465 845,-1465 845,-1505 810,-1540 805,-1535 745,-1535
3v3O on Bottom Layer "3V3O_L04_P034" (solid, pour order 34): 1795,631.38 1790,636.38 1790,915 875,915 865,925 865,1085 1870,1085 1930,1025 1930,510 1805,510 1795,500
3v3O on Bottom Layer "3V3O_L04_P023" (solid, pour order 23): 1575,625 1570,620 1570,500 1795,500 1795,635
fpga5V on Bottom Layer "FPGA5V_L04_P022" (solid, pour order 22): 885,783.52 885,660 1785,660 1785,785 1775,795
+5 on Bottom Layer "+5_L04_P021" (solid, pour order 21): 1530,-475 1525,-470 1405,-470 1350,-415 -210,-415 -210,-595 1530,-595
+12 on Bottom Layer "+12_L04_P020" (solid, pour order 20): 1506.43,-760 1780,-760 1780,-845 1512.5,-845
+12 on Bottom Layer "+12_L04_P019" (solid, pour order 19): 1535,-635 1535,-825 1500,-860 1335,-860 1335,-640 1330,-635
fpga5V on PWR3 (split plane): 1154.9,-1094.9 165.1,-1094.9 165.1,-782.11 172.11,-775.1 800,-775.1 801.95,-774.71 803.6,-773.6 878.6,-698.6 879.71,-696.95 880.1,-695 880.1,777.89 882.11,779.9 1154.9,779.9
3v3O on PWR3 (split plane): 1154.9,790.1 880,790.1 878.05,789.71 876.4,788.6 871.4,783.6 870.29,781.95 869.9,780 869.9,-692.89 797.89,-764.9 175.1,-764.9 175.1,-310 174.71,-308.05 173.6,-306.4 148.6,-281.4 146.95,-280.29 145,-279.9 -834.9,-279.9 -834.9,112.89 -652.89,294.9 360,294.9 361.95,295.29 363.6,296.4 418.6,351.4 419.71,353.05 420.1,355 420.1,562.89 828.6,971.4 829.71,973.05 830.1,975 830.1,1229.9 1154.9,1229.9
+12 on PWR3 (split plane): 1806.21,1945.38 1828.59,1939.39 1850,1930.52 1870.06,1918.93 1888.45,1904.83 1904.83,1888.45 1918.93,1870.06 1930.52,1850 1939.39,1828.59 1945.38,1806.21 1948.41,1783.24 1948.41,1771.65 1948.41,-1771.65 1948.41,-1783.24 1945.38,-1806.21 1939.39,-1828.59 1930.52,-1850 1918.93,-1870.06 1904.83,-1888.45 1888.45,-1904.83 1870.06,-1918.93 1850,-1930.52 1828.59,-1939.39 1806.21,-1945.38 1783.24,-1948.41 -1359.9,-1948.41 -1359.9,-1105.1 1160,-1105.1 1161.95,-1104.71 1163.6,-1103.6 1164.71,-1101.95 1165.1,-1100 1165.1,785 1165.1,1235 1165.1,1948.41 1783.24,1948.41
+5 on PWR3 (split plane): 164.9,-312.11 164.9,-767.89 156.4,-776.4 155.29,-778.05 154.9,-780 154.9,-1094.9 -1359.9,-1094.9 -1359.9,-435 -1359.9,-297.11 -1352.89,-290.1 142.89,-290.1
GND on PWR3 (split plane): 1154.9,1240.1 827.11,1240.1 813.6,1253.6 811.95,1254.71 810,1255.1 -570,1255.1 -571.95,1254.71 -573.6,1253.6 -623.6,1203.6 -624.71,1201.95 -625.1,1200 -625.1,722.11 -1187.11,160.1 -1948.41,160.1 -1948.41,1771.65 -1948.41,1783.24 -1945.38,1806.21 -1939.39,1828.59 -1930.52,1850 -1918.93,1870.06 -1904.83,1888.45 -1888.45,1904.83 -1870.06,1918.93 -1850,1930.52 -1828.59,1939.39 -1806.21,1945.38 -1783.24,1948.41 1154.9,1948.41
3v3 on PWR3 (split plane): 819.9,1232.89 819.9,977.11 411.4,568.6 410.29,566.95 409.9,565 409.9,357.11 357.89,305.1 -655,305.1 -656.95,304.71 -658.6,303.6 -843.6,118.6 -844.71,116.95 -845.1,115 -845.1,-279.9 -1355,-279.9 -1356.95,-280.29 -1358.6,-281.4 -1367.11,-289.9 -1948.41,-289.9 -1948.41,149.9 -1185,149.9 -1183.05,150.29 -1181.4,151.4 -616.4,716.4 -615.29,718.05 -614.9,720 -614.9,1197.89 -567.89,1244.9 807.89,1244.9
GND on PWR3 (split plane): -1370.1,-435 -1370.1,-1100 -1370.1,-1948.41 -1783.24,-1948.41 -1806.21,-1945.38 -1828.59,-1939.39 -1850,-1930.52 -1870.06,-1918.93 -1888.45,-1904.83 -1904.83,-1888.45 -1918.93,-1870.06 -1930.52,-1850 -1939.39,-1828.59 -1945.38,-1806.21 -1948.41,-1783.24 -1948.41,-1771.65 -1948.41,-300.1 -1370.1,-300.1
NetC5_1 on GND2 (split plane): -85.1,1112.89 -85.1,1030 -85.1,970 -84.71,968.05 -83.6,966.4 -68.6,951.4 -66.95,950.29 -65,949.9 122.89,949.9 134.9,937.89 134.9,637.11 102.89,605.1 -117.89,605.1 -129.9,617.11 -129.9,880 -130.29,881.95 -131.4,883.6 -231.4,983.6 -233.05,984.71 -235,985.1 -307.89,985.1 -319.9,997.11 -319.9,1132.89 -317.89,1134.9 -107.11,1134.9
NetC9_1 on GND2 (split plane): 394.9,1127.89 394.9,1000.1 250,1000.1 248.05,999.71 246.4,998.6 245.29,996.95 244.9,995 244.9,605.1 177.11,605.1 145.1,637.11 145.1,985 145.1,1129.9 392.89,1129.9
GND on GND2 (split plane): 1806.21,1945.38 1828.59,1939.39 1850,1930.52 1870.06,1918.93 1888.45,1904.83 1904.83,1888.45 1918.93,1870.06 1930.52,1850 1939.39,1828.59 1945.38,1806.21 1948.41,1783.24 1948.41,1771.65 1948.41,-1771.65 1948.41,-1783.24 1945.38,-1806.21 1939.39,-1828.59 1930.52,-1850 1918.93,-1870.06 1904.83,-1888.45 1888.45,-1904.83 1870.06,-1918.93 1850,-1930.52 1828.59,-1939.39 1806.21,-1945.38 1783.24,-1948.41 -1783.24,-1948.41 -1806.21,-1945.38 -1828.59,-1939.39 -1850,-1930.52 -1870.06,-1918.93 -1888.45,-1904.83 -1904.83,-1888.45 -1918.93,-1870.06 -1930.52,-1850 -1939.39,-1828.59 -1945.38,-1806.21 -1948.41,-1783.24 -1948.41,-1771.65 -1948.41,1771.65 -1948.41,1783.24 -1945.38,1806.21 -1939.39,1828.59 -1930.52,1850 -1918.93,1870.06 -1904.83,1888.45 -1888.45,1904.83 -1870.06,1918.93 -1850,1930.52 -1828.59,1939.39 -1806.21,1945.38 -1783.24,1948.41 1783.24,1948.41

## Keep-outs
Keep-Out Layer:
  the board outline again, w10

## Other copper
GND2 (plane layer: these items are gaps in the copper):
  lines w10: 140,940 125,955 -65,955 -80,970 -80,1030 -80,1115 -105,1140 -320,1140 -325,1135 -325,995 -310,980 -235,980 -135,880 -135,615 -120,600 105,600 140,635 ; 140,635 140,985 140,1135 395,1135 400,1130 400,995 250,995 250,600 175,600 140,635
PWR3 (plane layer: these items are gaps in the copper):
  lines w10: -1965,-295 -1365,-295 ; -1965,155 -1185,155 -620,720 -620,1200 -570,1250 810,1250 825,1235 ; -1365,-1965 -1365,-1100 ; -840,-280 -840,115 -655,300 360,300 415,355 415,565 825,975 825,1235 ; 160,-1100 160,-780 170,-770 ; 1160,785 880,785 875,780 875,-695 800,-770 170,-770 ; 1160,1235 825,1235 ; 1160,1960 1160,-1100 -1365,-1100 ; -1365,-1100 -1365,-435 -1365,-295 ; -1365,-295 -1355,-285 145,-285 170,-310 170,-770

## Silkscreen, mask and mechanical layers (free items; w line width, h text height)
Mechanical 1:
  the board outline again, w10

## Text inside footprints (layer, text, board x,y; h text height)
DSUB1: Top Overlay "13" at 1235,1557.5 h40 r180; Top Overlay "1" at -345,1547.5 h40 r180